# Altium PCB roach2.PcbDoc (part 11 of 39)
Units mil, origin at the board's own origin, x right, y up, seen from the top; angles counter-clockwise.
Board outline 12007.87 x 9606.3 mil, 16 copper layers (L1_TOP, L2_G, L3_S, L4_G, L5_S, L6_P, L7_G, L8_R, L9_R, L10_P, L11_P, L12_S, L13_P, L14_S, L15_G, L16_BOT), stack 81.651 mil thick; 1608 components, 1934 nets, 9335 pads, 6759 vias.
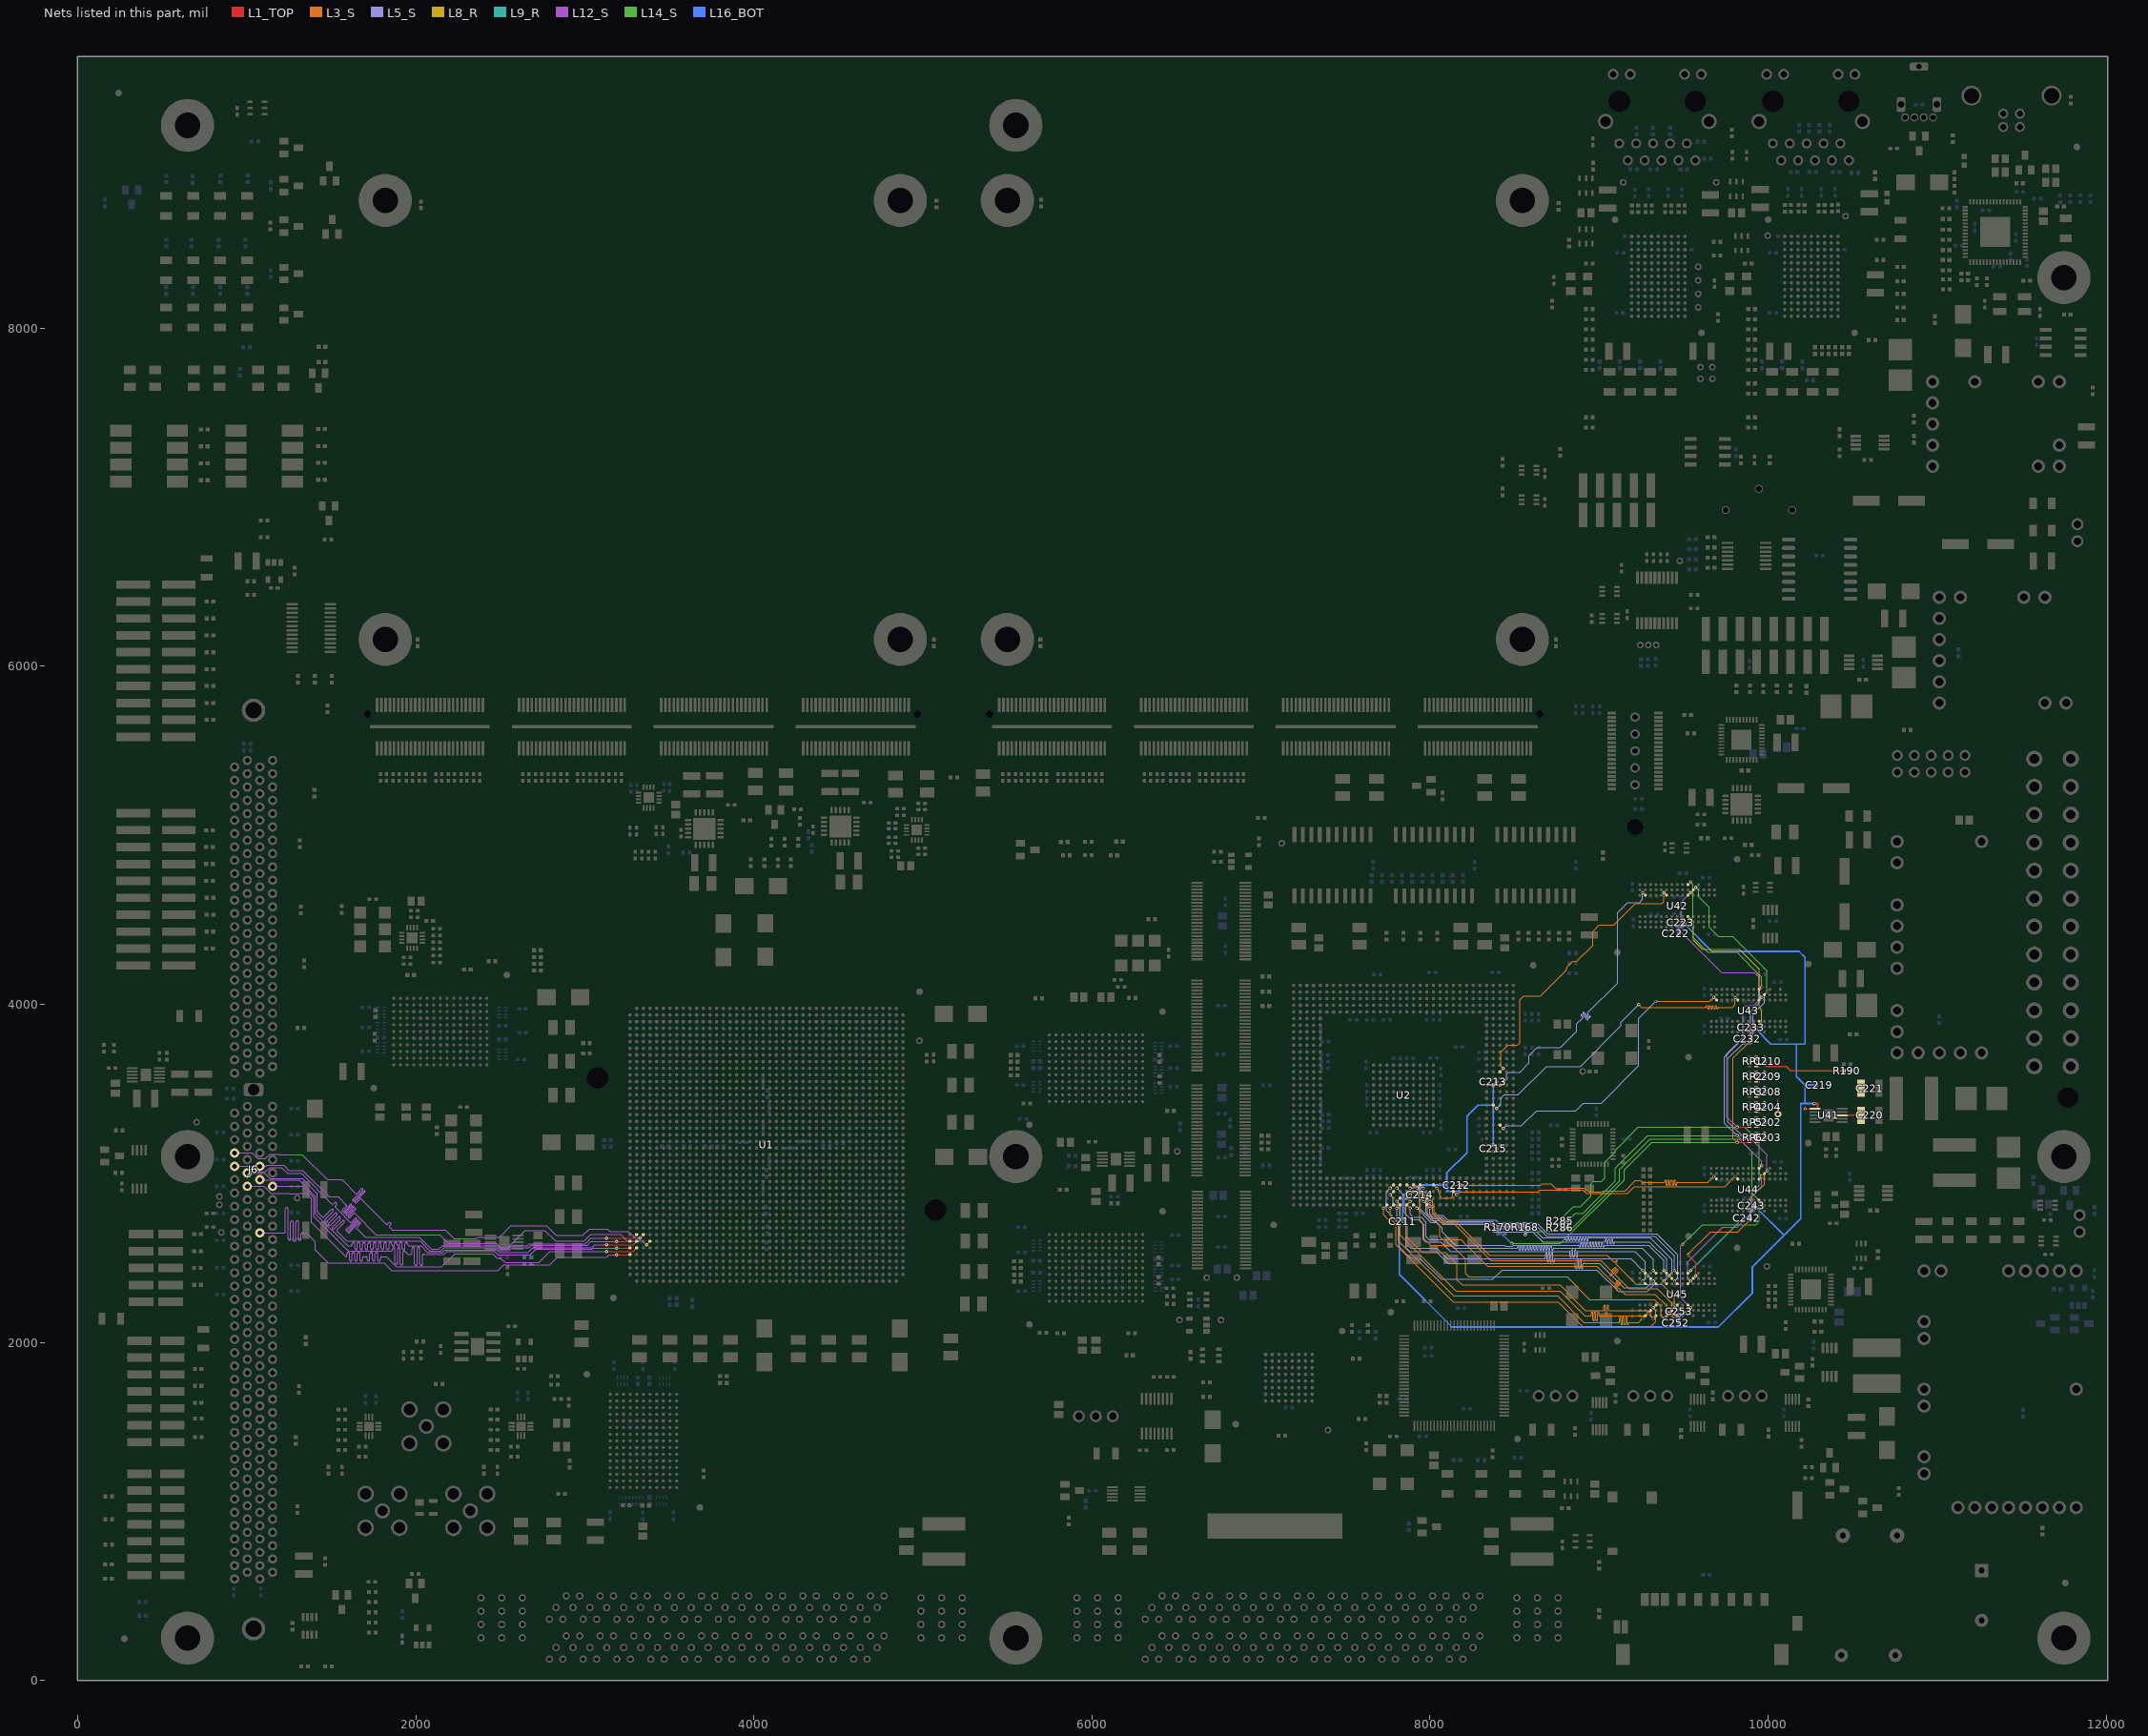
[diagram p25: the nets of this part, all layers, seen from the top]

## Via types
v1: diameter 19.4, hole 10, L1_TOP to L16_BOT, tented both sides, 3354 vias
v2: diameter 19.4, hole 10, L1_TOP to L16_BOT, 1884 vias
v3: diameter 19.4, hole 10, L1_TOP to L16_BOT, tented top, 410 vias
v4: diameter 18.6, hole 10, L1_TOP to L16_BOT, tented both sides, 311 vias
v5: diameter 59.06, hole 39.37, L1_TOP to L16_BOT, 217 vias
v6: diameter 19, hole 10, L1_TOP to L16_BOT, 198 vias
v7: diameter 19.4, hole 10.04, L1_TOP to L16_BOT, 125 vias
v8: diameter 19.4, hole 10, L1_TOP to L16_BOT, tented bottom, 80 vias
v9: diameter 25.98, hole 12.99, L1_TOP to L16_BOT, tented top, 59 vias
v10: diameter 20, hole 10, L1_TOP to L16_BOT, 52 vias
v11: diameter 59.06, hole 39.37, L1_TOP to L16_BOT, tented top, 44 vias
v12: diameter 20, hole 10, L1_TOP to L16_BOT, tented top, 16 vias
v13: diameter 19, hole 10, L1_TOP to L16_BOT, tented top, 5 vias
v14: diameter 50, hole 28, L1_TOP to L16_BOT, 4 vias

## Nets (pads, with @x,y where several pads share a name; then routed paths per layer and width w, separated by ;. In a path a pad name is that pad's centre, name@x,y a point inside that pad or via, vN(x,y) a via of type N, cw(c..) or ccw(c..) an arc to the next point about the centre after c; other vN are vias at no path point) (continued)
DDR2.DQ48: U2.Y3 U45.G8 | length 2025.6
  L1_TOP w5: U2.Y3@7941.42,2892.13 v1(7961.1,2872.44) ; v4(9415.35,2393.7) U45.G8@9431.1,2377.95
  L5_S w3.8: v1(7961.1,2872.44) 7976.99,2856.55 7976.99,2768.99 8014.99,2730.99 8058.99,2730.99 8082.79,2707.19 8352.79,2707.19 8386.99,2672.99 8610.99,2672.99 8664.99,2618.99 8799.79,2618.99 cw(c8799.79,2614.59) 8804.19,2614.59 8804.19,2607.58 ccw(c8808.59,2607.58) 8808.59,2603.18 ccw(c8808.59,2607.58) 8812.99,2607.58 8812.99,2614.59 cw(c8817.39,2614.59) 8817.39,2618.99 cw(c8817.39,2614.59) 8821.79,2614.59 8821.79,2607.58 ccw(c8826.19,2607.58) 8826.19,2603.18 ccw(c8826.19,2607.58) 8830.59,2607.58 8830.59,2614.59 cw(c8834.99,2614.59) 8834.99,2618.99 cw(c8834.99,2614.59) 8839.39,2614.59 8839.39,2607.58 ccw(c8843.79,2607.58) 8843.79,2603.18 ccw(c8843.79,2607.58) 8848.19,2607.58 8848.19,2614.59 cw(c8852.59,2614.59) 8852.59,2618.99 cw(c8852.59,2614.59) 8856.99,2614.59 8856.99,2607.58 ccw(c8861.39,2607.58) 8861.39,2603.18 ccw(c8861.39,2607.58) 8865.79,2607.58 8865.79,2614.59 cw(c8870.19,2614.59) 8870.19,2618.99 cw(c8870.19,2614.59) 8874.59,2614.59 8874.59,2607.58 ccw(c8878.99,2607.58) 8878.99,2603.18 ccw(c8878.99,2607.58) 8883.39,2607.58 8883.39,2614.59 cw(c8887.79,2614.59) 8887.79,2618.99 cw(c8887.79,2614.59) 8892.19,2614.59 8892.19,2607.58 ccw(c8896.59,2607.58) 8896.59,2603.18 ccw(c8896.59,2607.58) 8900.99,2607.58 8900.99,2614.59 cw(c8905.39,2614.59) 8905.39,2618.99 cw(c8905.39,2614.59) 8909.79,2614.59 8909.79,2607.58 ccw(c8914.19,2607.58) 8914.19,2603.18 ccw(c8914.19,2607.58) 8918.59,2607.58 8918.59,2614.59 cw(c8922.99,2614.59) 8922.99,2618.99 cw(c8922.99,2614.59) 8927.39,2614.59 8927.39,2607.58 ccw(c8931.79,2607.58) 8931.79,2603.18 ccw(c8931.79,2607.58) 8936.19,2607.58 8936.19,2614.59 cw(c8940.59,2614.59) 8940.59,2618.99 9302.99,2618.99 9430.95,2491.03 9430.95,2412.77 9415.35,2397.17 v4(9415.35,2393.7)
DDR2.DQ49: U2.Y2 U45.G2 | length 2025.6
  L1_TOP w5: U2.Y2@7941.42,2852.76 v1(7961.1,2833.07) ; v4(9415.35,2173.23) U45.G2@9431.1,2188.98
  L3_S w3.8: v1(7961.1,2833.07) 7984.79,2809.38 7984.79,2752.99 8022.79,2714.99 8034.99,2714.99 8058.42,2691.56 8058.42,2625.56 8074.99,2608.99 8182.99,2608.99 8340.99,2450.99 8986.99,2450.99 9088.95,2349.04 ccw(c9092.06,2352.15) 9095.17,2349.04 9109.77,2363.64 cw(c9112.89,2360.53) 9116,2363.64 cw(c9112.89,2360.53) 9116,2357.42 9090.56,2331.99 ccw(c9093.67,2328.88) 9090.56,2325.77 ccw(c9093.67,2328.88) 9096.78,2325.77 9104.5,2333.48 9122.22,2351.2 cw(c9125.33,2348.09) 9128.44,2351.2 cw(c9125.33,2348.09) 9128.44,2344.98 9103.01,2319.54 ccw(c9106.12,2316.43) 9103.01,2313.32 ccw(c9106.12,2316.43) 9109.23,2313.32 9113.84,2317.93 cw(c9116.95,2314.82) 9120.06,2317.93 9152.99,2284.99 9330.99,2284.99 9399.75,2216.23 9399.75,2189.12 9415.35,2173.52 v4(9415.35,2173.23)
DDR2.DQ50: U2.V4 U45.H7 | length 2025.6
  L1_TOP w5: U2.V4@7862.68,2931.5 v1(7882.36,2911.81) ; v4(9446.85,2362.2) U45.H7@9462.6,2346.46
  L5_S w3.8: v1(7882.36,2911.81) 7899.67,2911.81 7915.27,2927.41 7928.2,2927.41 7937.33,2918.27 7937.33,2908.65 7952.99,2892.99 7964.99,2892.99 7984.87,2873.11 7984.87,2826.61 8002.18,2809.3 8006.94,2809.3 8016.07,2800.16 8016.07,2765.91 8030.99,2750.99 8074.99,2750.99 8102.99,2722.99 8388.99,2722.99 8402.99,2708.99 8628.99,2708.99 8694.99,2642.99 9340.99,2642.99 9464.99,2518.99 9464.99,2380.35 v4(9446.85,2362.2)
DDR2.DQ51: U2.V3 U45.H3 | length 2025.6
  L1_TOP w5: U2.V3@7862.68,2892.13 v1(7882.36,2872.44) ; v4(9446.85,2204.72) U45.H3@9462.6,2220.47
  L3_S w3.8: v1(7882.36,2872.44) 7902.92,2892.99 7966.99,2892.99 7980.99,2878.99 7980.99,2858.99 7990.99,2848.99 8006.99,2848.99 8014.99,2840.99 8014.99,2840.61 8016.07,2839.53 8016.07,2813.91 8023.87,2806.11 8023.87,2772.11 8076.99,2718.99 8148.99,2718.99 8352.99,2514.99 9046.99,2514.99 9086.34,2475.64 ccw(c9089.45,2478.76) 9092.56,2475.64 9100.62,2483.7 cw(c9103.73,2480.59) 9106.84,2483.7 cw(c9103.73,2480.59) 9106.84,2477.48 9098.78,2469.42 ccw(c9101.9,2466.31) 9098.78,2463.2 9218.99,2342.99 9372.99,2342.99 9446.85,2269.13 v4(9446.85,2204.72)
DDR2.DQ52: U2.AA2 U45.H1 | length 2025.6
  L1_TOP w5: U2.AA2@7980.79,2852.76 v1(8000.47,2833.07) ; v4(9446.85,2141.73) U45.H1@9462.6,2157.48
  L3_S w3.8: v1(8000.47,2833.07) 8000.47,2817.51 8016.07,2801.91 8016.07,2759.91 8068.99,2706.99 8136.99,2706.99 8360.99,2482.99 9010.99,2482.99 9069.99,2423.99 ccw(c9073.1,2427.1) 9076.21,2423.99 9093.34,2441.12 cw(c9096.45,2438.01) 9099.56,2441.12 cw(c9096.45,2438.01) 9099.56,2434.9 9065.09,2400.42 ccw(c9068.2,2397.31) 9065.09,2394.2 ccw(c9068.2,2397.31) 9071.31,2394.2 9085.55,2408.44 9105.79,2428.67 cw(c9108.9,2425.56) 9112.01,2428.67 cw(c9108.9,2425.56) 9112.01,2422.45 9094.88,2405.32 ccw(c9097.99,2402.21) 9094.88,2399.1 9176.99,2316.99 9344.99,2316.99 9430.95,2231.03 9430.95,2157.63 v4(9446.85,2141.73)
DDR2.DQ53: U2.AA1 U45.H9 | length 2025.6
  L1_TOP w5: U2.AA1@7980.79,2813.39 v1(8000.47,2793.7) ; v4(9446.85,2425.2) U45.H9@9462.6,2409.45
  L5_S w3.8: v1(8000.47,2793.7) 8000.47,2759.51 8018.99,2740.99 8068.99,2740.99 8094.99,2714.99 8370.99,2714.99 8396.99,2688.99 8420.99,2688.99 ccw(c8420.99,2693.39) 8425.39,2693.39 8425.39,2696.53 cw(c8429.79,2696.53) 8429.79,2700.93 cw(c8429.79,2696.53) 8434.19,2696.53 8434.19,2685.45 ccw(c8438.59,2685.45) 8438.59,2681.05 ccw(c8438.59,2685.45) 8442.99,2685.45 8442.99,2696.53 cw(c8447.39,2696.53) 8447.39,2700.93 cw(c8447.39,2696.53) 8451.79,2696.53 8451.79,2685.45 ccw(c8456.19,2685.45) 8456.19,2681.05 ccw(c8456.19,2685.45) 8460.59,2685.45 8460.59,2696.53 cw(c8464.99,2696.53) 8464.99,2700.93 cw(c8464.99,2696.53) 8469.39,2696.53 8469.39,2685.45 ccw(c8473.79,2685.45) 8473.79,2681.05 ccw(c8473.79,2685.45) 8478.19,2685.45 8478.19,2696.53 cw(c8482.59,2696.53) 8482.59,2700.93 cw(c8482.59,2696.53) 8486.99,2696.53 8486.99,2685.45 ccw(c8491.39,2685.45) 8491.39,2681.05 ccw(c8491.39,2685.45) 8495.79,2685.45 8495.79,2696.53 cw(c8500.19,2696.53) 8500.19,2700.93 cw(c8500.19,2696.53) 8504.59,2696.53 8504.59,2685.45 ccw(c8508.99,2685.45) 8508.99,2681.05 ccw(c8508.99,2685.45) 8513.39,2685.45 8513.39,2696.53 cw(c8517.79,2696.53) 8517.79,2700.93 cw(c8517.79,2696.53) 8522.19,2696.53 8522.19,2685.45 ccw(c8526.59,2685.45) 8526.59,2681.05 ccw(c8526.59,2685.45) 8530.99,2685.45 8530.99,2696.53 cw(c8535.39,2696.53) 8535.39,2700.93 cw(c8535.39,2696.53) 8539.79,2696.53 8539.79,2685.45 ccw(c8544.19,2685.45) 8544.19,2681.05 ccw(c8544.19,2685.45) 8548.59,2685.45 8548.59,2696.53 cw(c8552.99,2696.53) 8552.99,2700.93 cw(c8552.99,2696.53) 8557.39,2696.53 8557.39,2685.45 ccw(c8561.79,2685.45) 8561.79,2681.05 ccw(c8561.79,2685.45) 8566.19,2685.45 8566.19,2696.53 cw(c8570.59,2696.53) 8570.59,2700.93 cw(c8570.59,2696.53) 8574.99,2696.53 8574.99,2685.45 ccw(c8579.39,2685.45) 8579.39,2681.05 ccw(c8579.39,2685.45) 8583.79,2685.45 8583.79,2696.53 cw(c8588.19,2696.53) 8588.19,2700.93 cw(c8588.19,2696.53) 8592.59,2696.53 8592.59,2693.39 ccw(c8596.99,2693.39) 8596.99,2688.99 8628.99,2688.99 8688.99,2628.99 9328.99,2628.99 9446.85,2511.13 v4(9446.85,2425.2)
DDR2.DQ54: U2.W3 U45.F1 | length 2022.1
  L1_TOP w5: U2.W3@7902.05,2892.13 v1(7921.73,2872.44) ; v4(9383.86,2141.73) U45.F1@9399.61,2157.48
  L3_S w3.8: v1(7921.73,2872.44) 7938.99,2855.18 7938.99,2722.99 7964.99,2696.99 7964.99,2614.99 8004.99,2574.99 8128.99,2574.99 8210.99,2492.99 8210.99,2406.99 8230.59,2387.39 8810.59,2387.39 8944.99,2252.99 9326.16,2252.99 9367.96,2211.19 9367.96,2157.63 v4(9383.86,2141.73)
DDR2.DQ55: U2.W1 U45.F9 | length 2025.6
  L1_TOP w5: U2.W1@7902.05,2813.39 v1(7921.73,2793.7) ; v4(9383.86,2425.2) U45.F9@9399.61,2409.45
  L5_S w3.8: v1(7921.73,2793.7) 8004.44,2710.99 8036.99,2710.99 8072.99,2674.99 8072.99,2652.99 8150.99,2574.99 8442.99,2574.99 8448.59,2569.39 8489.45,2569.39 8495.05,2574.99 8876.59,2574.99 cw(c8876.59,2570.59) 8880.99,2570.59 8880.99,2569.25 ccw(c8885.39,2569.25) 8885.39,2564.85 ccw(c8885.39,2569.25) 8889.79,2569.25 8889.79,2582.73 cw(c8894.19,2582.73) 8894.19,2587.13 cw(c8894.19,2582.73) 8898.59,2582.73 8898.59,2569.25 ccw(c8902.99,2569.25) 8902.99,2564.85 ccw(c8902.99,2569.25) 8907.39,2569.25 8907.39,2582.73 cw(c8911.79,2582.73) 8911.79,2587.13 cw(c8911.79,2582.73) 8916.19,2582.73 8916.19,2569.25 ccw(c8920.59,2569.25) 8920.59,2564.85 ccw(c8920.59,2569.25) 8924.99,2569.25 8924.99,2582.73 cw(c8929.39,2582.73) 8929.39,2587.13 cw(c8929.39,2582.73) 8933.79,2582.73 8933.79,2569.25 ccw(c8938.19,2569.25) 8938.19,2564.85 ccw(c8938.19,2569.25) 8942.59,2569.25 8942.59,2582.73 cw(c8946.99,2582.73) 8946.99,2587.13 cw(c8946.99,2582.73) 8951.39,2582.73 8951.39,2569.25 ccw(c8955.79,2569.25) 8955.79,2564.85 ccw(c8955.79,2569.25) 8960.19,2569.25 8960.19,2582.73 cw(c8964.59,2582.73) 8964.59,2587.13 cw(c8964.59,2582.73) 8968.99,2582.73 8968.99,2569.25 ccw(c8973.39,2569.25) 8973.39,2564.85 ccw(c8973.39,2569.25) 8977.79,2569.25 8977.79,2582.73 cw(c8982.19,2582.73) 8982.19,2587.13 cw(c8982.19,2582.73) 8986.59,2582.73 8986.59,2569.25 ccw(c8990.99,2569.25) 8990.99,2564.85 ccw(c8990.99,2569.25) 8995.39,2569.25 8995.39,2582.73 cw(c8999.79,2582.73) 8999.79,2587.13 cw(c8999.79,2582.73) 9004.19,2582.73 9004.19,2569.25 ccw(c9008.59,2569.25) 9008.59,2564.85 ccw(c9008.59,2569.25) 9012.99,2569.25 9012.99,2582.73 cw(c9017.39,2582.73) 9017.39,2587.13 cw(c9017.39,2582.73) 9021.79,2582.73 9021.79,2569.25 ccw(c9026.19,2569.25) 9026.19,2564.85 ccw(c9026.19,2569.25) 9030.59,2569.25 9030.59,2570.59 cw(c9034.99,2570.59) 9034.99,2574.99 9292.99,2574.99 9383.86,2484.13 v4(9383.86,2425.2)
DDR2.DQ56: U2.U1 U45.C8 | length 2145.7
  L1_TOP w5: v1(7803.62,2793.7) U2.U1@7823.31,2813.39 ; v4(9289.37,2393.7) U45.C8@9305.12,2377.95
  L5_S w3.8: v1(7803.62,2793.7) 7803.62,2746.36 7858.99,2690.99 7858.99,2560.99 7880.99,2538.99 8034.99,2538.99 8106.99,2466.99 8856.19,2466.99 cw(c8856.19,2462.59) 8860.59,2462.59 8860.59,2441.79 ccw(c8864.99,2441.79) 8864.99,2437.39 ccw(c8864.99,2441.79) 8869.39,2441.79 8869.39,2482.2 cw(c8873.79,2482.2) 8873.79,2486.6 cw(c8873.79,2482.2) 8878.19,2482.2 8878.19,2441.79 ccw(c8882.59,2441.79) 8882.59,2437.39 ccw(c8882.59,2441.79) 8886.99,2441.79 8886.99,2482.2 cw(c8891.39,2482.2) 8891.39,2486.6 cw(c8891.39,2482.2) 8895.79,2482.2 8895.79,2441.79 ccw(c8900.19,2441.79) 8900.19,2437.39 ccw(c8900.19,2441.79) 8904.59,2441.79 8904.59,2462.59 cw(c8908.99,2462.59) 8908.99,2466.99 9002.99,2466.99 9146.99,2322.99 9278.99,2322.99 9304.99,2348.99 9304.97,2377.8 9289.37,2393.4 v4(9289.37,2393.7)
DDR2.DQ57: U2.U2 U45.C2 | length 2145.7
  L1_TOP w5: v1(7803.62,2833.07) U2.U2@7823.31,2852.76 ; v4(9289.37,2173.23) U45.C2@9305.12,2188.98
  L3_S w3.8: v1(7803.62,2833.07) 7822.39,2814.3 7822.39,2635.59 8154.99,2302.99 8768.99,2302.99 8914.36,2157.63 8950.99,2157.63 ccw(c8950.99,2162.03) 8955.39,2162.03 8955.39,2174.5 cw(c8959.79,2174.5) 8959.79,2178.9 cw(c8959.79,2174.5) 8964.19,2174.5 8964.19,2133.61 ccw(c8968.59,2133.61) 8968.59,2129.21 ccw(c8968.59,2133.61) 8972.99,2133.61 8972.99,2174.5 cw(c8977.39,2174.5) 8977.39,2178.9 cw(c8977.39,2174.5) 8981.79,2174.5 8981.79,2133.61 ccw(c8986.19,2133.61) 8986.19,2129.21 ccw(c8986.19,2133.61) 8990.59,2133.61 8990.59,2174.5 cw(c8994.99,2174.5) 8994.99,2178.9 cw(c8994.99,2174.5) 8999.39,2174.5 8999.39,2162.03 ccw(c9003.79,2162.03) 9003.79,2157.63 9256.7,2157.63 9256.99,2157.33 9273.47,2157.33 v4(9289.37,2173.23)
DDR2.DQ58: U2.T4 U45.D7 | length 2136.2
  L1_TOP w5: v1(7764.25,2911.81) U2.T4@7783.94,2931.5 ; v4(9320.87,2362.2) U45.D7@9336.61,2346.46
  L5_S w3.8: v1(7764.25,2911.81) 7742.99,2890.55 7742.99,2780.99 7816.99,2706.99 7816.99,2564.99 7882.99,2498.99 7940.99,2498.99 8066.99,2372.99 8370.99,2372.99 8426.99,2428.99 8986.99,2428.99 9114.99,2300.99 9284.99,2300.99 9320.87,2336.87 v4(9320.87,2362.2)
DDR2.DQ59: U2.R1 U45.D3 | length 2145.7
  L1_TOP w5: v1@7725.59,2792.99 7724.88,2793.7 U2.R1@7744.57,2813.39 ; v4(9320.87,2204.72) U45.D3@9336.61,2220.47
  L3_S w3.8: v1(7724.21,2793.98) 7724.21,2753.77 7748.99,2728.99 7767.09,2728.99 7798.42,2697.67 7798.42,2577.67 8137.09,2238.99 8756.99,2238.99 8900.99,2094.99 9306.99,2094.99 9336.47,2124.47 9336.47,2188.83 9320.87,2204.43 v4(9320.87,2204.72)
DDR2.DQ60: U2.V2 U45.D1 | length 2145.7
  L1_TOP w5: U2.V2@7862.68,2852.76 v1(7882.36,2833.07) ; v4(9320.87,2141.73) U45.D1@9336.61,2157.48
  L3_S w3.8: v1(7882.36,2833.07) 7858.99,2809.7 7858.99,2626.99 7954.99,2530.99 8090.99,2530.99 8160.99,2460.99 8160.99,2368.99 8190.99,2338.99 8768.99,2338.99 8918.86,2189.12 9024.99,2189.12 ccw(c9024.99,2193.52) 9029.39,2193.52 9029.39,2214.38 cw(c9033.79,2214.38) 9033.79,2218.78 cw(c9033.79,2214.38) 9038.19,2214.38 9038.19,2170.24 ccw(c9042.59,2170.24) 9042.59,2165.84 ccw(c9042.59,2170.24) 9046.99,2170.24 9046.99,2214.38 cw(c9051.39,2214.38) 9051.39,2218.78 cw(c9051.39,2214.38) 9055.79,2214.38 9055.79,2193.52 ccw(c9060.19,2193.52) 9060.19,2189.12 9295.54,2189.12 9304.97,2179.69 9304.97,2157.63 v4(9320.87,2141.73)
DDR2.DQ61: U2.V1 U45.D9 | length 2145.5
  L1_TOP w5: U2.V1@7862.68,2813.39 v1(7882.36,2793.7) ; v4(9320.87,2425.2) U45.D9@9336.61,2409.45
  L5_S w3.8: v1(7882.36,2793.7) 7882.36,2757.62 7898.99,2740.99 7946.99,2740.99 7976.99,2710.99 7976.99,2624.99 7992.99,2608.99 8086.99,2608.99 8138.99,2556.99 8512.99,2556.99 ccw(c8512.99,2561.39) 8517.39,2561.39 8517.39,2562.79 cw(c8521.79,2562.79) 8521.79,2567.19 cw(c8521.79,2562.79) 8526.19,2562.79 8526.19,2551.19 ccw(c8530.59,2551.19) 8530.59,2546.79 ccw(c8530.59,2551.19) 8534.99,2551.19 8534.99,2562.79 cw(c8539.39,2562.79) 8539.39,2567.19 cw(c8539.39,2562.79) 8543.79,2562.79 8543.79,2551.19 ccw(c8548.19,2551.19) 8548.19,2546.79 ccw(c8548.19,2551.19) 8552.59,2551.19 8552.59,2562.79 cw(c8556.99,2562.79) 8556.99,2567.19 cw(c8556.99,2562.79) 8561.39,2562.79 8561.39,2551.19 ccw(c8565.79,2551.19) 8565.79,2546.79 ccw(c8565.79,2551.19) 8570.19,2551.19 8570.19,2562.79 cw(c8574.59,2562.79) 8574.59,2567.19 cw(c8574.59,2562.79) 8578.99,2562.79 8578.99,2551.19 ccw(c8583.39,2551.19) 8583.39,2546.79 ccw(c8583.39,2551.19) 8587.79,2551.19 8587.79,2562.79 cw(c8592.19,2562.79) 8592.19,2567.19 cw(c8592.19,2562.79) 8596.59,2562.79 8596.59,2551.19 ccw(c8600.99,2551.19) 8600.99,2546.79 ccw(c8600.99,2551.19) 8605.39,2551.19 8605.39,2562.79 cw(c8609.79,2562.79) 8609.79,2567.19 cw(c8609.79,2562.79) 8614.19,2562.79 8614.19,2551.19 ccw(c8618.59,2551.19) 8618.59,2546.79 ccw(c8618.59,2551.19) 8622.99,2551.19 8622.99,2562.79 cw(c8627.39,2562.79) 8627.39,2567.19 cw(c8627.39,2562.79) 8631.79,2562.79 8631.79,2551.19 ccw(c8636.19,2551.19) 8636.19,2546.79 ccw(c8636.19,2551.19) 8640.59,2551.19 8640.59,2562.79 cw(c8644.99,2562.79) 8644.99,2567.19 cw(c8644.99,2562.79) 8649.39,2562.79 8649.39,2551.19 ccw(c8653.79,2551.19) 8653.79,2546.79 ccw(c8653.79,2551.19) 8658.19,2551.19 8658.19,2562.79 cw(c8662.59,2562.79) 8662.59,2567.19 cw(c8662.59,2562.79) 8666.99,2562.79 8666.99,2551.19 ccw(c8671.39,2551.19) 8671.39,2546.79 ccw(c8671.39,2551.19) 8675.79,2551.19 8675.79,2562.79 cw(c8680.19,2562.79) 8680.19,2567.19 cw(c8680.19,2562.79) 8684.59,2562.79 8684.59,2551.19 ccw(c8688.99,2551.19) 8688.99,2546.79 ccw(c8688.99,2551.19) 8693.39,2551.19 8693.39,2562.79 cw(c8697.79,2562.79) 8697.79,2567.19 cw(c8697.79,2562.79) 8702.19,2562.79 8702.19,2551.19 ccw(c8706.59,2551.19) 8706.59,2546.79 ccw(c8706.59,2551.19) 8710.99,2551.19 8710.99,2562.79 cw(c8715.39,2562.79) 8715.39,2567.19 cw(c8715.39,2562.79) 8719.79,2562.79 8719.79,2551.19 ccw(c8724.19,2551.19) 8724.19,2546.79 ccw(c8724.19,2551.19) 8728.59,2551.19 8728.59,2552.59 cw(c8732.99,2552.59) 8732.99,2556.99 9252.99,2556.99 9320.87,2489.12 v4(9320.87,2425.2)
DDR2.DQ62: U2.T1 U45.B1 | length 2145.7
  L1_TOP w5: v1(7764.25,2793.7) U2.T1@7783.94,2813.39 ; v4(9257.87,2141.73) U45.B1@9273.62,2157.48
  L3_S w3.8: v1(7764.25,2793.7) 7764.25,2751.73 7812.99,2702.99 7812.99,2600.99 8138.99,2274.99 8754.99,2274.99 8910.99,2118.99 9117.39,2118.99 ccw(c9117.39,2123.39) 9121.79,2123.39 9121.79,2143.17 cw(c9126.19,2143.17) 9126.19,2147.57 cw(c9126.19,2143.17) 9130.59,2143.17 9130.59,2109.45 ccw(c9134.99,2109.45) 9134.99,2105.05 ccw(c9134.99,2109.45) 9139.39,2109.45 9139.39,2143.17 cw(c9143.79,2143.17) 9143.79,2147.57 cw(c9143.79,2143.17) 9148.19,2143.17 9148.19,2109.45 ccw(c9152.59,2109.45) 9152.59,2105.05 ccw(c9152.59,2109.45) 9156.99,2109.45 9156.99,2143.17 cw(c9161.39,2143.17) 9161.39,2147.57 cw(c9161.39,2143.17) 9165.79,2143.17 9165.79,2109.45 ccw(c9170.19,2109.45) 9170.19,2105.05 ccw(c9170.19,2109.45) 9174.59,2109.45 9174.59,2114.59 cw(c9178.99,2114.59) 9178.99,2118.99 9235.13,2118.99 v4(9257.87,2141.73)
DDR2.DQ63: U2.T3 U45.B9 | length 2145.7
  L1_TOP w5: v1(7764.25,2872.44) U2.T3@7783.94,2892.13 ; v4(9257.87,2425.2) U45.B9@9273.62,2409.45
  L5_S w3.8: v1(7764.25,2872.44) 7782.99,2853.7 7782.99,2824.99 7794.99,2812.99 7814.99,2812.99 7824.99,2802.99 7824.99,2742.99 7866.99,2700.99 7866.99,2574.99 7884.99,2556.99 8038.99,2556.99 8100.99,2494.99 8678.99,2494.99 ccw(c8678.99,2499.39) 8683.39,2499.39 8683.39,2525.04 cw(c8687.79,2525.04) 8687.79,2529.44 cw(c8687.79,2525.04) 8692.19,2525.04 8692.19,2480.95 ccw(c8696.59,2480.95) 8696.59,2476.55 ccw(c8696.59,2480.95) 8700.99,2480.95 8700.99,2525.04 cw(c8705.39,2525.04) 8705.39,2529.44 cw(c8705.39,2525.04) 8709.79,2525.04 8709.79,2480.95 ccw(c8714.19,2480.95) 8714.19,2476.55 ccw(c8714.19,2480.95) 8718.59,2480.95 8718.59,2525.04 cw(c8722.99,2525.04) 8722.99,2529.44 cw(c8722.99,2525.04) 8727.39,2525.04 8727.39,2480.95 ccw(c8731.79,2480.95) 8731.79,2476.55 ccw(c8731.79,2480.95) 8736.19,2480.95 8736.19,2490.59 cw(c8740.59,2490.59) 8740.59,2494.99 9188.08,2494.99 v4(9257.87,2425.2)
DDR2.DQS0: U2.AM21 U42.F7 | length 1745.1
  L1_TOP w5: U2.AM21@8413.86,3600.79 v1(8433.54,3620.47) ; v4(9383.86,4661.42) U42.F7@9399.61,4645.67
  L3_S w3.8: v1(8433.54,3620.47) 8417.94,3636.07 8417.94,3715.94 8460.99,3758.99 8516.99,3758.99 8531.97,3773.97 8531.97,4026.99 8553.97,4048.99 8652.99,4048.99 8807.39,4203.39 8807.39,4217.45 8845.33,4255.39 8868.83,4255.39 8962.99,4349.56 8962.99,4430.99 9000.99,4468.99 9086.99,4468.99 9214.99,4596.99 9372.99,4596.99 9383.86,4607.86 v4(9383.86,4661.42)
DDR2.DQS1: U2.AM19 U42.B7 | length 1849.9
  L1_TOP w5: U2.AM19@8413.86,3522.05 v1(8433.54,3541.73) ; v4(9257.87,4661.42) U42.B7@9273.62,4645.67
  L5_S w3.8: v1(8433.54,3541.73) 8437.73,3541.73 8452.99,3556.99 8452.99,3586.99 8464.99,3598.99 8530.99,3598.99 8586.99,3654.99 8586.99,3696.99 8634.99,3744.99 8772.99,3744.99 8868.99,3840.99 8868.99,3884.99 8902.2,3918.2 ccw(c8899.09,3921.31) 8902.2,3924.42 8893.72,3932.9 cw(c8896.83,3936.01) 8893.72,3939.12 cw(c8896.83,3936.01) 8899.94,3939.12 8911.53,3927.53 8928.12,3910.94 ccw(c8931.23,3914.05) 8934.34,3910.94 ccw(c8931.23,3914.05) 8934.34,3917.16 8917.75,3933.75 8906.17,3945.34 cw(c8909.28,3948.45) 8906.17,3951.56 cw(c8909.28,3948.45) 8912.39,3951.56 8923.98,3939.98 8940.56,3923.39 ccw(c8943.68,3926.5) 8946.79,3923.39 ccw(c8943.68,3926.5) 8946.79,3929.61 8933.31,3943.09 cw(c8936.42,3946.2) 8933.31,3949.31 9108.99,4124.99 9108.99,4542.99 9168.99,4602.99 9238.99,4602.99 9257.87,4621.87 v4(9257.87,4661.42)